# Altium PCB Booster_Main_Board.PcbDoc (part 4 of 11)
Units mil, origin at the board's own origin, x right, y up, seen from the top; angles counter-clockwise.
Board outline 15748.38 x 4626.33 mil, 4 copper layers (Component Side, Signal Layer 1, Power Plane, Solder Side), stack 63.149 mil thick; 999 components, 572 nets, 2902 pads, 1949 vias.
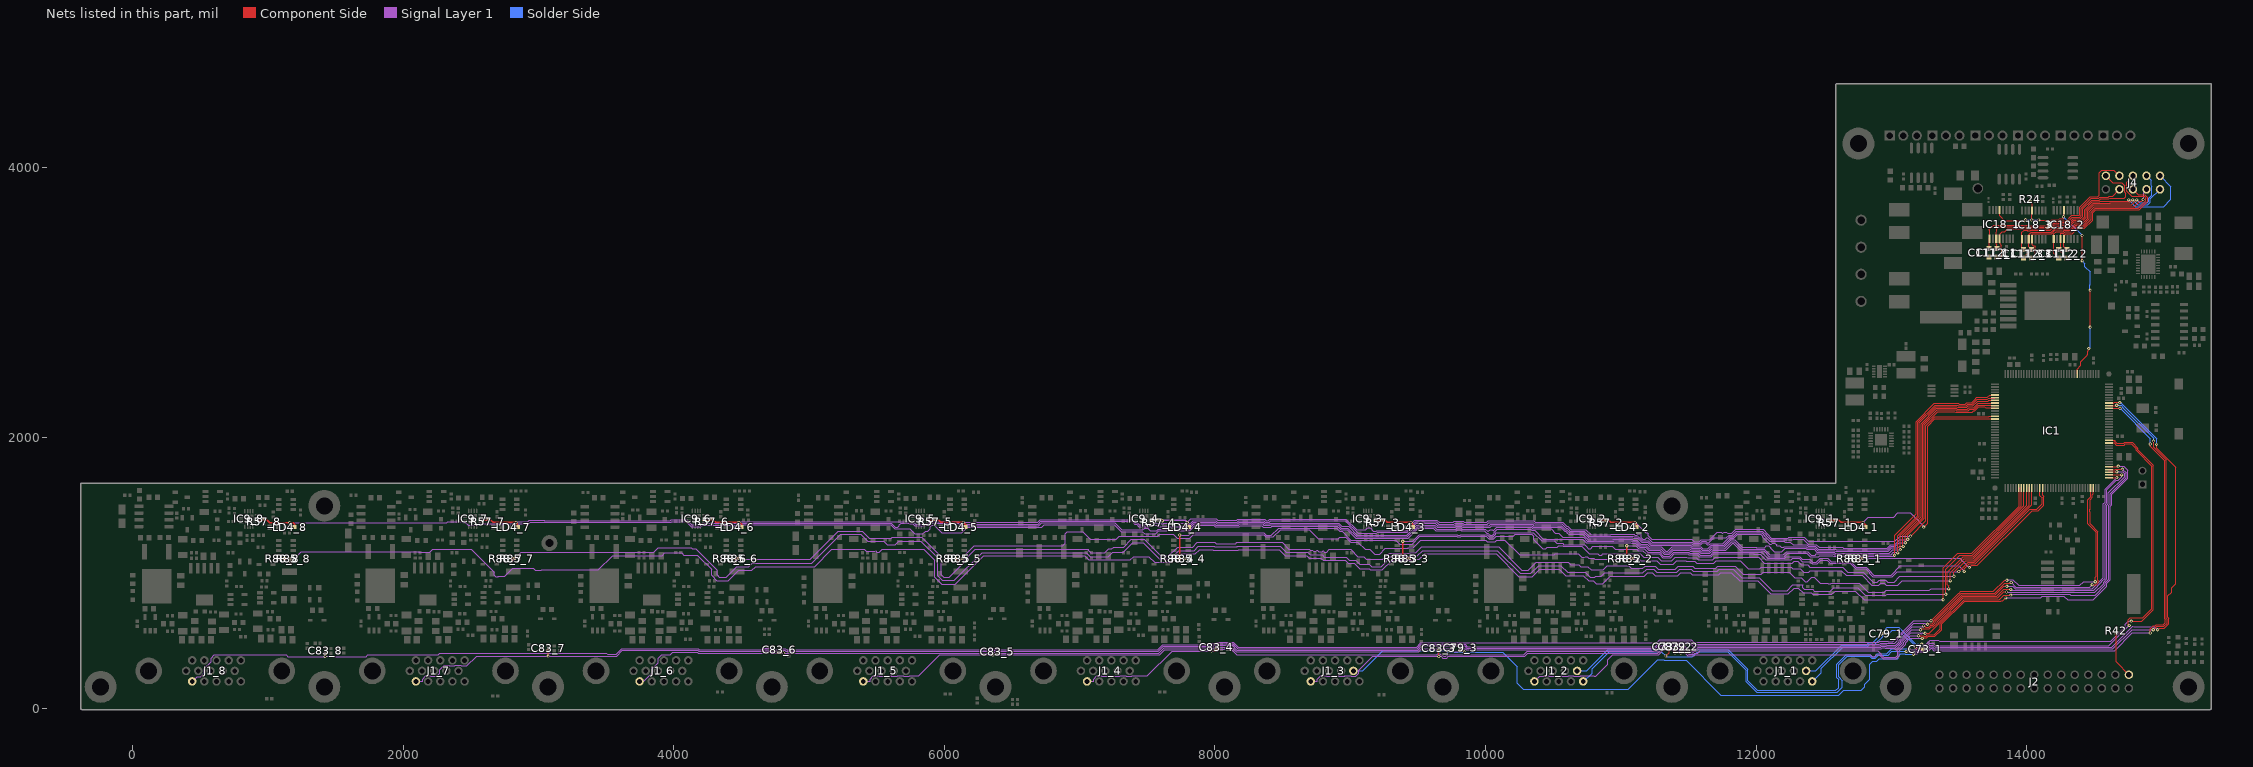
[diagram p6: the nets of this part, all layers, seen from the top]

## Via types
v1: diameter 23.62, hole 11.81, Component Side to Solder Side, tented both sides, 1910 vias
v2: diameter 50, hole 28, Component Side to Solder Side, tented both sides, 24 vias
v3: diameter 23.62, hole 11.81, Component Side to Solder Side, 10 vias
v4: diameter 47.24, hole 31.5, Component Side to Solder Side, 5 vias

## Nets (pads, with @x,y where several pads share a name; then routed paths per layer and width w, separated by ;. In a path a pad name is that pad's centre, name@x,y a point inside that pad or via, vN(x,y) a via of type N, cw(c..) or ccw(c..) an arc to the next point about the centre after c; other vN are vias at no path point) (continued)
ADC_IN11: C79_3.1 IC1.27 J1_3.10 | length 8627
  Component Side w6: C79_3.1@9813,429.28 9828.72,429.28 v1(9841,417) ; IC1.27@14607.26,2216.32 14608.39,2217.45 14688.2,2217.45 v1(14689.32,2216.32) ; v1(14913,556) 14913,587.43 14933.57,608 14949.03,608 14957.13,616.1 15007.19,616.1 15023.35,632.26 15023.35,656.1 15019,660.45 15019,1829.79 14913,1935.79 v1(14913,1953)
  Signal Layer 1 w6: v1(13162,398) 13166.81,402.81 13189.19,402.81 13193.57,407.19 13194.56,407.19 13204.56,417.19 13268.5,417.19 13293.31,442 13296.66,442 13312.47,426.19 14651.19,426.19 14781,556 v1(14913,556)
  Solder Side w6: J1_3.10@9022.87,275.59 9093.5,275.59 9241.73,423.81 9706.62,423.81 9715.62,414.81 10127.19,414.81 10235,307 10235,184 10280,139 11055.8,139 11273.39,356.59 11316.01,356.59 11319.41,353.19 11481.84,353.19 11739.84,95.19 12610.5,95.19 12646.31,131 12775,131 12775,131.35 12802,158.35 12802,175.39 12839.23,212.62 12839.23,324.54 12860.69,346 12890.12,346 12910.93,366.81 13046.87,366.81 13050.19,370.13 13050.19,380.59 13070.41,400.81 13098.76,400.81 13100.38,399.19 13160.81,399.19 v1(13162,398) ; v1(14689.32,2216.32) 14913,1992.65 v1(14913,1953)
ADC_IN12: C73_2.1 IC1.28 J1_2.5 | length 6909.9
  Component Side w6: v1(11333,386) 11358,411 C73_2.1@11358,436.28 ; IC1.28@14607.26,2236.01 14664.99,2236.01 v1(14665,2239) ; v1@14937,581 14952,596 14954,596 14962.1,604.1 15012.16,604.1 15037,628.94 15037,659.42 15031,665.42 15031,1834.76 14937,1928.76 v1(14937,1974)
  Signal Layer 1 w6: v1(13109,420) 13110.19,418.81 13175.62,418.81 13179.43,415 13184.41,415 13188.6,419.19 13189.59,419.19 13199.59,429.19 13263.53,429.19 13288.34,454 13301.63,454 13317.44,438.19 14637.19,438.19 14779,580 v1(14935,580)
  Solder Side w6: J1_2.5@10721.34,197.64 10726.37,197.64 10787.54,258.82 10787.54,292.09 10914.27,418.81 11300.19,418.81 v1(11333,386) 11339.81,379.19 11528.38,379.19 11568,418.81 11788.22,418.81 11926,281.03 11926,197.03 12003.84,119.19 12600.56,119.19 12637.54,156.17 12637.54,202.47 12608.91,231.09 12608.91,320.09 12671.84,383.02 12839.98,383.02 12853,370 12880.18,370 12900.99,390.81 12974.81,390.81 13003.81,419.81 13108.81,419.81 v1(13109,420) ; v1(14665,2239) 14665.81,2238.19 14696.89,2238.19 14710.13,2224.94 14710.13,2220.87 14937,1994 v1(14937,1974)
ADC_IN13: C79_2.1 IC1.29 J1_2.10 | length 6960.5
  Component Side w6: v1(11443,408) 11445,410 C79_2.1@11445,437.3 ; IC1.29@14607.26,2255.69 14643.88,2255.69 14648,2259.81 14687.19,2259.81 v1(14688,2259) ; v1(14960,1950) 14960,1922.73 15102.36,1780.37 15102.36,921.33 15072,890.97 15072,858.61 15043,829.61 15043,670.39 15049,664.39 15049,623.97 15017.13,592.1 14981.87,592.1 14969.76,580 v1(14967.43,580)
  Signal Layer 1 w6: v1(13134,440) 13143.19,430.81 13180.59,430.81 13180.83,430.57 13183.01,430.57 13183.63,431.19 13184.62,431.19 13194.62,441.19 13258.56,441.19 13283.37,466 13306.6,466 13322.41,450.19 14627.19,450.19 14784,607 14790.19,600.81 14943.62,600.81 14964.43,580 v1(14967.43,580)
  Solder Side w6: J1_2.10@10676.42,275.59 10747.05,275.59 10902.27,430.81 11420.19,430.81 v1(11443,408) 11513.62,408 11536.43,430.81 11793.19,430.81 11938,286 11938,202 12008.81,131.19 12588.86,131.19 12610.43,152.76 12610.43,212.61 12596.91,226.12 12596.91,325.06 12666.87,395.02 12844.95,395.02 12857.97,382 12875.21,382 12896.02,402.81 12963.81,402.81 13001.81,440.81 13117.62,440.81 13120.62,437.81 13132.81,437.81 13134,439 v1(13134,440) ; v1(14688,2259) 14694,2259 14960,1993 v1(14960,1950)
ADC_IN14: C73_1.1 IC1.14 J1_1.5 | length 4431.7
  Component Side w6: v1(13176,452) 13193,435 C73_1.1@13232.28,435 ; IC1.14@14607.26,1960.42 14646.18,1960.42 14661.41,1945.19 14720.59,1945.19 14728.13,1952.73 14773.3,1952.73 14808.19,1917.84 14808.19,1904.84 14923,1790.03 14923,733.2 14856.94,667.13 14765.7,667.13 14751.19,652.62 14751.19,617.81 v1(14757,612)
  Signal Layer 1 w6: v1(13176,452) 13177.19,453.19 13253.59,453.19 13281.4,481 13308.57,481 13327.38,462.19 14607.19,462.19 v1(14757,612)
  Solder Side w6: J1_1.5@12414.25,197.64 12419.28,197.64 12482,260.36 12482,295 12642.02,455.02 12821.48,455.02 12838.08,471.62 12878.05,471.62 12937.81,531.38 12937.81,537.78 12957.03,557 12986.46,557 13007.27,577.81 13047.62,577.81 13116.12,509.31 13127.12,509.31 13176,460.43 v1(13176,452)
ADC_IN15: C79_1.1 IC1.15 J1_1.10 | length 4406.5
  Component Side w6: v1(12917,540) 12929,552 C79_1.1@12942.28,552 ; IC1.15@14607.26,1980.1 14648.9,1980.1 14652.19,1976.81 14652.19,1971.38 14666.38,1957.19 14715.62,1957.19 14723.16,1964.73 14778.27,1964.73 14820.19,1922.81 14820.19,1909.81 14935,1795 14935,728.22 14850.78,644 v1(14772,644)
  Signal Layer 1 w6: v1(13224,474) 13257.43,474 13287.24,503.81 13344.62,503.81 13355.43,493 14620,493 14728,601 14728,621 14751,644 v1(14772,644)
  Solder Side w6: J1_1.10@12369.33,275.59 12439.96,275.59 12631.39,467.02 12816.51,467.02 12833.11,483.62 12861.62,483.62 12957.03,579.03 12957.03,586.43 12969.22,598.62 13054.95,598.62 13180.38,473.19 13185.24,473.19 13191.43,467 13199.43,475 13200.43,474 v1(13224,474)
ALERTN_CH0: IC1.77 IC9_8.2 LD4_8.1 R57_8.1 | length 14473.4
  Component Side w6: v1@1157,1372.12 v1(1160,1372.12) ; v1(13023,1130) 13023,1277.57 13183.29,1437.86 13183.29,2118.23 13317.33,2252.28 13494.38,2252.28 13499.47,2247.19 13546.53,2247.19 13557.15,2257.81 13592.19,2257.81 13615.42,2281.04 13631.96,2297.59 13708.26,2297.59 13725.42,2314.75 IC1.77@13764.74,2314.75
  Component Side w10: IC9_8.2@918.07,1389.02 994.98,1389.02 1011.88,1372.12 v1@1157,1372.12 ; v1(1160,1372.12) 1186.94,1372.12 1197.75,1361.3 LD4_8.1@1197.75,1337.8
  Signal Layer 1 w6: v1(1160,1372.12) 1326,1372.12 1329.17,1368.95 2320.92,1368.95 2330.92,1378.95 2452.71,1378.95 2479.66,1352 2551.53,1352 2561,1361.47 2816.78,1361.47 2825.81,1352.45 2843.05,1352.45 2855.42,1364.83 2926.98,1364.83 2937.94,1375.8 3036.46,1375.8 3037.59,1374.67 3980.18,1374.67 3984.47,1378.95 4092.48,1378.95 4129.43,1342 4200.57,1342 4212.52,1353.95 4452.91,1353.95 4466.41,1340.45 4493.59,1340.45 4508.95,1355.81 5602.56,1355.81 5633.04,1325.33 5745.24,1325.33 5780.38,1290.19 5841.62,1290.19 5860.43,1309 5877.43,1309 5894.81,1326.38 5894.81,1341.24 5907.38,1353.81 5924.62,1353.81 5981.43,1297 6128.62,1297 6168.88,1337.26 6717.83,1337.26 6737.38,1356.81 7255.1,1356.81 7306.72,1305.19 7463.38,1305.19 7479.38,1289.19 7563.27,1289.19 7584.08,1310 7812.14,1310 7852.95,1350.81 7990.76,1350.81 8001.77,1339.8 8179.33,1339.8 8189.09,1349.55 8346.44,1349.55 8357.32,1338.67 8414.33,1338.67 8418.61,1342.95 8905.53,1342.95 8928.72,1319.76 8977.35,1319.76 9041.93,1255.19 9427.84,1255.19 9502.52,1329.87 9614.92,1329.87 9632.79,1312 9786.51,1312 9794.53,1320.02 9811.77,1320.02 9819.79,1312 9991.66,1312 10009.47,1294.19 10016.8,1294.19 10033.38,1277.61 10050.62,1277.61 10062.81,1289.8 10062.81,1300.47 10086.15,1323.81 10332.34,1323.81 10342.19,1313.95 10362.02,1313.95 10426.97,1249 10484.6,1249 10485.41,1249.81 10512.59,1249.81 10513.4,1249 10578.69,1249 10579.64,1249.95 10596.88,1249.95 10597.38,1249.45 10717.55,1249.45 10744.81,1222.19 10950.88,1222.19 10952.64,1223.95 11073.18,1223.95 11078.73,1218.4 11108.23,1218.4 11137.76,1188.87 11184.25,1188.87 11205.12,1168 11288.31,1168 11320.02,1136.29 11357.14,1136.29 11388.85,1168 11503.08,1168 11512.68,1158.4 11576.22,1158.4 11590.64,1143.98 11658.05,1143.98 11682.08,1168 11774.41,1168 11825.6,1219.19 11831.87,1219.19 11887.11,1163.95 11990.68,1163.95 11991.68,1162.95 12054.65,1162.95 12097.27,1120.33 12206.76,1120.33 12232.24,1145.81 12375.19,1145.81 12401.05,1119.95 12460.92,1119.95 12468.78,1127.81 12566.62,1127.81 12572.1,1122.33 13015.33,1122.33 v1(13023,1130)
ALERTN_CH1: IC1.78 IC9_7.2 LD4_7.1 R57_7.1 | length 12695.1
  Component Side w6: v1(13047,1148) 13045.19,1149.81 13045.19,1273.5 13195.29,1423.6 13195.29,2113.26 13322.3,2240.28 13489.41,2240.28 13494.5,2235.19 13551.5,2235.19 13562.12,2245.81 13597.16,2245.81 13633.5,2282.15 13709.79,2282.15 13718.6,2290.96 13760.64,2290.96 IC1.78@13764.74,2295.06
  Component Side w10: IC9_7.2@2571.61,1390.16 2647.84,1390.16 2664.74,1373.26 v1(2834.43,1373.26) 2844.57,1363.12 2844.57,1345.67 LD4_7.1@2851.3,1338.94
  Signal Layer 1 w6: v1(2834.43,1373.26) 2837.99,1376.83 2922.01,1376.83 2932.97,1387.8 3041.44,1387.8 3042.56,1386.67 3975.21,1386.67 3979.5,1390.95 4097.45,1390.95 4134.4,1354 4195.6,1354 4207.55,1365.95 4457.88,1365.95 4471.38,1352.45 4488.62,1352.45 4503.98,1367.81 5608.19,1367.81 5625.82,1350.18 5625.82,1349.52 5638.01,1337.33 5655.25,1337.33 5667.44,1349.52 5667.44,1355.44 5679.81,1367.81 5738.03,1367.81 5744.03,1361.81 5767.62,1361.81 5781.93,1347.5 5857.07,1347.5 5865.38,1355.81 5891.97,1355.81 5901.97,1365.81 6102.56,1365.81 6127.92,1340.45 6155.1,1340.45 6163.91,1349.26 6698.83,1349.26 6718.38,1368.81 7260.07,1368.81 7311.69,1317.19 7465.76,1317.19 7479.38,1330.81 7503.76,1330.81 7522.38,1312.19 7539.62,1312.19 7539.76,1312.33 7569.44,1312.33 7579.11,1322 7807.17,1322 7847.98,1362.81 7995.73,1362.81 8006.74,1351.8 8174.36,1351.8 8184.12,1361.55 8351.41,1361.55 8362.3,1350.67 8409.36,1350.67 8413.64,1354.95 8910.5,1354.95 8933.69,1331.76 8982.32,1331.76 9046.9,1267.19 9422.87,1267.19 9497.55,1341.87 9619.89,1341.87 9637.76,1324 9781.54,1324 9789.56,1332.02 9816.74,1332.02 9824.76,1324 9996.63,1324 10014.44,1306.19 10020.34,1306.19 10033.38,1319.23 10050.62,1319.23 10057.61,1312.24 10081.18,1335.81 10337.31,1335.81 10347.17,1325.95 10484.05,1325.95 10516.54,1293.46 10539.39,1293.46 10570.9,1261.95 10725.17,1261.95 10752.93,1234.19 10945.91,1234.19 10947.67,1235.95 11078.15,1235.95 11083.7,1230.4 11113.21,1230.4 11142.74,1200.87 11189.22,1200.87 11210.09,1180 11293.28,1180 11324.99,1148.29 11352.17,1148.29 11383.88,1180 11508.05,1180 11517.65,1170.4 11581.19,1170.4 11595.61,1155.98 11653.08,1155.98 11677.11,1180 11769.44,1180 11820.63,1231.19 11836.84,1231.19 11892.08,1175.95 11995.65,1175.95 11996.65,1174.95 12059.62,1174.95 12102.24,1132.33 12201.79,1132.33 12227.27,1157.81 12381.76,1157.81 12407.62,1131.95 12437,1131.95 12444.86,1139.81 12571.59,1139.81 12577.07,1134.33 12997.9,1134.33 13014.38,1150.81 13044.19,1150.81 v1(13047,1148)
ALERTN_CH2: IC1.79 IC9_6.2 LD4_6.1 R57_6.1 | length 10929.6
  Component Side w6: v1(13066,1172) 13066,1277.34 13207.29,1418.63 13207.29,2108.29 13327.27,2228.28 13484.44,2228.28 13489.53,2223.19 13556.47,2223.19 13567.09,2233.81 13602.13,2233.81 13638.47,2270.15 13714.76,2270.15 13719.63,2275.02 13764.38,2275.02 IC1.79@13764.74,2275.38
  Component Side w10: IC9_6.2@4225.16,1390.16 4293.1,1390.16 4310,1373.26 v1(4480,1373.26) 4487.97,1373.26 4500.62,1360.61 4500.62,1343.15 4504.84,1338.94 4504.49,1338.58 LD4_6.1@4500.98,1338.58
  Signal Layer 1 w6: v1(4480,1373.26) 4486.55,1379.81 5743,1379.81 5749,1373.81 5772.59,1373.81 5786.9,1359.5 5852.1,1359.5 5860.41,1367.81 5887,1367.81 5897,1377.81 6107.53,1377.81 6132.89,1352.45 6150.13,1352.45 6158.94,1361.26 6693.86,1361.26 6713.41,1380.81 7385.03,1380.81 7407.03,1358.81 7420.62,1358.81 7436.62,1342.81 7511.38,1342.81 7522.38,1353.81 7526.83,1353.81 7526.97,1353.95 7569.44,1353.95 7582.94,1340.45 7808.65,1340.45 7843.01,1374.81 8000.7,1374.81 8011.71,1363.8 8169.39,1363.8 8179.15,1373.55 8356.38,1373.55 8367.27,1362.67 8404.39,1362.67 8408.67,1366.95 8863.95,1366.95 8864.81,1367.81 8914.62,1367.81 8938.66,1343.76 8987.3,1343.76 9051.87,1279.19 9417.9,1279.19 9492.58,1353.87 9624.86,1353.87 9642.73,1336 9776.56,1336 9784.59,1344.02 9821.71,1344.02 9829.73,1336 10033.18,1336 10044.99,1347.81 10342.28,1347.81 10352.14,1337.95 10554.48,1337.95 10584.67,1307.76 10593.07,1307.76 10605.26,1295.57 10605.26,1293.03 10614.29,1284 10720.09,1284 10757.9,1246.19 10940.94,1246.19 10942.7,1247.95 11083.12,1247.95 11088.67,1242.4 11118.18,1242.4 11147.71,1212.87 11194.19,1212.87 11215.06,1192 11298.25,1192 11329.96,1160.29 11347.2,1160.29 11378.91,1192 11513.02,1192 11522.62,1182.4 11586.16,1182.4 11600.58,1167.98 11648.11,1167.98 11672.14,1192 11764.47,1192 11815.66,1243.19 11841.81,1243.19 11897.05,1187.95 12000.62,1187.95 12001.38,1187.19 12063.76,1187.19 12076.38,1199.81 12094.79,1199.81 12109.19,1185.41 12109.19,1181.38 12134.38,1156.19 12188.4,1156.19 12214.21,1182 12366.12,1182 12374.31,1173.81 12427.62,1173.81 12449.62,1151.81 12576.56,1151.81 12582.04,1146.33 12982.33,1146.33 13008,1172 v1(13066,1172)
ALERTN_CH3: IC1.80 IC9_5.2 LD4_5.1 R57_5.1 | length 9202.5
  Component Side w6: v1(13087,1196) 13082.19,1200.81 13082.19,1276.56 13219.29,1413.66 13219.29,2103.32 13332.25,2216.28 13479.47,2216.28 13484.56,2211.19 13561.44,2211.19 13572.07,2221.81 13607.1,2221.81 13640.98,2255.69 IC1.80@13764.74,2255.69
  Component Side w10: IC9_5.2@5878.7,1390.16 5957.1,1390.16 5974,1373.26 v1(6141.51,1373.26) 6158.38,1356.39 LD4_5.1@6158.38,1338.94
  Signal Layer 1 w6: v1(6141.51,1373.26) 6688.89,1373.26 6708.44,1392.81 7390,1392.81 7412,1370.81 7425.59,1370.81 7441.59,1354.81 7506.41,1354.81 7517.41,1365.81 7521.86,1365.81 7522,1365.95 7600.99,1365.95 7602.33,1364.62 7619.57,1364.62 7620.9,1365.95 7772.93,1365.95 7786.44,1352.45 7803.68,1352.45 7838.04,1386.81 8005.67,1386.81 8016.68,1375.8 8164.42,1375.8 8174.44,1385.81 8361.09,1385.81 8372.24,1374.67 8399.42,1374.67 8410.56,1385.81 8962.62,1385.81 9057.24,1291.19 9192.59,1291.19 9201.4,1300 9421.74,1300 9487.61,1365.87 9629.83,1365.87 9647.7,1348 9771.59,1348 9779.62,1356.02 9826.68,1356.02 9834.7,1348 10028.21,1348 10040.02,1359.81 10347.25,1359.81 10357.11,1349.95 10559.45,1349.95 10589.64,1319.76 10598.04,1319.76 10621.8,1296 10725.06,1296 10762.87,1258.19 10935.96,1258.19 10937.73,1259.95 11088.09,1259.95 11093.64,1254.4 11123.15,1254.4 11152.68,1224.87 11199.16,1224.87 11220.03,1204 11517.99,1204 11527.59,1194.4 11591.13,1194.4 11605.55,1179.98 11643.14,1179.98 11667.16,1204 11759.5,1204 11810.69,1255.19 11834.83,1255.19 11864.59,1284.95 12035.79,1284.95 12048.98,1271.76 12048.98,1262.58 12100.76,1210.81 12111.38,1210.81 12121.38,1220.81 12138.62,1220.81 12150.81,1208.62 12150.81,1199.19 12175.81,1199.19 12185.81,1189.19 12204.43,1189.19 12209.24,1194 12371.09,1194 12379.28,1185.81 12432.59,1185.81 12454.59,1163.81 12581.53,1163.81 12587.01,1158.33 12977.36,1158.33 13003.03,1184 13048,1184 13060,1196 v1(13087,1196)
ALERTN_CH4: IC1.81 IC9_4.2 LD4_4.1 R57_4.1 | length 7467.7
  Component Side w6: v1(13103,1223) 13100.19,1225.81 13100.19,1277.59 13231.29,1408.69 13231.29,2098.35 13337.22,2204.28 13474.5,2204.28 13479.59,2199.19 13566.41,2199.19 13577.04,2209.81 13612.07,2209.81 13642.07,2239.81 13760.94,2239.81 IC1.81@13764.74,2236.01
  Component Side w10: IC9_4.2@7532.24,1390.16 7577.52,1390.16 R57_4.1@7582.59,1385.09 ; R57_4.1@7586,1388.5 7607.87,1388.5 v1(7610.95,1385.43) ; v1(7795.06,1373.26) 7795.28,1373.04 7795.28,1351.38 LD4_4.1@7808.07,1338.58
  Signal Layer 1 w6: v1(7795.06,1373.26) 7820.61,1398.81 8010.64,1398.81 8021.65,1387.8 8159.45,1387.8 8169.46,1397.81 8366.06,1397.81 8377.21,1386.67 8394.45,1386.67 8405.59,1397.81 8967.59,1397.81 9046.21,1319.19 9115.76,1319.19 9129.38,1332.81 9146.62,1332.81 9171.24,1308.19 9192.62,1308.19 9196.43,1312 9416.77,1312 9482.64,1377.87 9634.8,1377.87 9652.67,1360 9766.62,1360 9774.65,1368.02 9831.65,1368.02 9839.68,1360 10012.57,1360 10024.38,1371.81 10352.22,1371.81 10362.08,1361.95 10564.42,1361.95 10594.61,1331.76 10603.01,1331.76 10626.77,1308 10730.03,1308 10767.84,1270.19 10930.99,1270.19 10932.76,1271.95 11093.06,1271.95 11098.61,1266.4 11128.12,1266.4 11157.65,1236.87 11204.13,1236.87 11225,1216 11522.96,1216 11532.57,1206.4 11590.35,1206.4 11605.55,1221.6 11622.79,1221.6 11637.99,1206.4 11652.59,1206.4 11662.19,1216 11754.53,1216 11805.72,1267.19 11829.86,1267.19 11859.62,1296.95 12040.76,1296.95 12060.98,1276.73 12060.98,1273.96 12101.88,1233.06 12206.68,1233.06 12211.9,1227.84 12253.04,1227.84 12272.55,1208.33 12289.79,1208.33 12290.46,1209 12373.06,1209 12384.25,1197.81 12437.56,1197.81 12459.56,1175.81 12586.5,1175.81 12591.98,1170.33 12972.39,1170.33 12998.06,1196 13029,1196 13056,1223 v1(13103,1223)
  Signal Layer 1 w10: v1(7610.95,1385.43) 7613.31,1387.8 7780.52,1387.8 v1(7795.06,1373.26)
ALERTN_CH5: IC1.82 IC9_3.2 LD4_3.1 R57_3.1 | length 5714.7
  Component Side w6: v1(13121,1248) 13120.19,1248.81 13120.19,1280.62 13243.29,1403.72 13243.29,2093.38 13342.19,2192.28 13469.53,2192.28 13474.62,2187.19 13596.76,2187.19 13607.38,2197.81 13617.04,2197.81 13647.04,2227.81 13687.62,2227.81 13695.62,2219.81 13761.25,2219.81 IC1.82@13764.74,2216.32
  Component Side w10: IC9_3.2@9185.79,1390.16 9231.06,1390.16 R57_3.1@9232.72,1388.5 ; R57_3.1@9240,1388.5 9257.76,1388.5 9273,1373.26 v1(9448.6,1373.26) 9449.58,1373.26 9461.61,1361.22 LD4_3.1@9461.61,1338.58
  Signal Layer 1 w6: v1(9448.6,1373.26) 9461.06,1373.26 9477.67,1389.87 9639.77,1389.87 9656.38,1373.26 9762.91,1373.26 9769.68,1380.02 9836.62,1380.02 9843.39,1373.26 10008.86,1373.26 10019.41,1383.81 10357.19,1383.81 10367.05,1373.95 10569.39,1373.95 10599.58,1343.76 10607.98,1343.76 10631.74,1320 10741.6,1320 10779.41,1282.19 10926.02,1282.19 10927.79,1283.95 11098.03,1283.95 11103.58,1278.4 11120.82,1278.4 11126.38,1283.95 11147.22,1283.95 11150.43,1280.75 11150.43,1261.06 11162.62,1248.87 11179.86,1248.87 11189.7,1258.71 11199.72,1258.71 11230.43,1228 11527.93,1228 11537.54,1218.4 11585.38,1218.4 11600.58,1233.6 11627.76,1233.6 11642.96,1218.4 11647.62,1218.4 11687.94,1258.71 11780.27,1258.71 11800.75,1279.19 11824.89,1279.19 11854.65,1308.95 12045.73,1308.95 12072.98,1281.7 12072.98,1278.93 12106.85,1245.06 12211.65,1245.06 12212.53,1244.19 12266.79,1244.19 12272.55,1249.95 12349.08,1249.95 12389.22,1209.81 12442.53,1209.81 12464.53,1187.81 12640.07,1187.81 12645.55,1182.33 12967.42,1182.33 12993.09,1208 13024.03,1208 13059.84,1243.81 13111.62,1243.81 13114.22,1241.22 v1(13121,1248)
ALERTN_CH6: IC1.85 IC9_2.2 LD4_2.1 R57_2.1 | length 3924.3
  Component Side w6: v1(13141,1272) 13255.29,1386.29 13255.29,2088.41 13319.37,2152.49 13718,2152.49 13722.78,2157.27 IC1.85@13764.74,2157.27
  Component Side w10: IC9_2.2@10839.33,1390.16 10909.1,1390.16 10926,1373.26 11102.14,1373.26 v1(11106.2,1369.2) 11115.16,1360.24 LD4_2.1@11115.16,1338.58
  Signal Layer 1 w6: v1(11106.2,1369.2) 11111.2,1369.2 11185.42,1294.98 11195.05,1294.98 11201.89,1288.15 11201.89,1273.51 11227.4,1248 11524.91,1248 11542.51,1230.4 11580.41,1230.4 11595.61,1245.6 11657.85,1245.6 11712.59,1300.34 11740.88,1300.34 11750.03,1291.19 11753.88,1291.19 11763.03,1300.34 11780.27,1300.34 11789.42,1291.19 11819.92,1291.19 11849.68,1320.95 12050.7,1320.95 12084.98,1286.67 12084.98,1283.9 12111.82,1257.06 12216.62,1257.06 12217.5,1256.19 12236.65,1256.19 12242.42,1261.95 12354.05,1261.95 12383.19,1232.81 13024.81,1232.81 13064,1272 v1(13141,1272)
ALERTN_CH7: IC1.86 IC9_1.2 LD4_1.1 R57_1.1 | length 2109
  Component Side w6: v1(13238.19,1338.58) 13267.29,1367.69 13267.29,2083.44 13321.43,2137.58 IC1.86@13764.74,2137.58
  Component Side w10: IC9_1.2@12532.24,1390.16 12611.1,1390.16 12628,1373.26 v1(12790,1373.26) 12790,1369 12811.93,1347.07 LD4_1.1@12811.93,1338.94
  Signal Layer 1 w6: v1(12790,1373.26) 12790.26,1373.26 12828,1411 13016,1411 13047.81,1442.81 13140.62,1442.81 13238.19,1345.24 v1(13238.19,1338.58)
BOOT_SW: J2.1 R42.1 | length 347
  Component Side w6: R42.1@14660,554.5 14660,341.97 J2.1@14755.12,246.85
DXN_1: C111_1.1 C112_1.1 IC18_1.11 J4.8 | length 1301
  Component Side w6: C111_1.1@13720.47,3333.66 13721.46,3333.66 13750.98,3363.19 13750.98,3371.06 13776.57,3396.65 C112_1.1@13779.53,3396.65 13779.53,3425.2 13774.51,3430.22 IC18_1.11@13774.51,3470.47 13774.51,3519.59 13779.53,3524.61 13779.53,3543.31 13794.29,3558.07 13998.75,3558.07 14000.87,3555.95 14012.35,3555.95 14013.33,3554.96 14164.45,3554.96 14194.45,3584.96 14246.45,3584.96 14253.51,3592.02 14299.99,3592.02 14337.57,3629.59 14391.47,3629.59 14403.78,3641.89 14403.78,3695.8 14475.71,3767.74 14530.93,3767.74 14541.19,3778 14602.25,3778 14609.25,3785 14635.01,3785 J4.8@14685,3834.99
DXN_2: C111_2.1 C112_2.1 IC18_2.11 J4.5 | length 1292.9
  Component Side w6: C112_2.1@14297.24,3326.77 14297.24,3329.72 C111_2.1@14237.2,3389.76 14249.9,3402.46 IC18_2.11@14249.9,3468.5 14249.9,3510.45 14273.76,3510.45 14283.33,3520.02 14329.82,3520.02 14367.39,3557.59 14421.3,3557.59 14475.78,3612.07 14475.78,3665.97 14505.54,3695.74 14825.17,3695.74 14880.81,3751.38 14880.81,3768.62 14866.93,3782.5 14774.56,3782.5 14737.5,3819.56 14737.5,3887.49 J4.5@14785,3934.99
DXN_3: C111_3.1 C112_3.1 IC18_3.11 J4.2 | length 1393.3
  Component Side w6: C111_3.1@13975.39,3326.77 13994.09,3345.47 13994.09,3350.39 13996.06,3350.39 C112_3.1@14035.43,3389.76 14014.67,3410.53 IC18_3.11@14014.67,3466.54 14014.67,3500.89 14032.74,3518.96 14179.36,3518.96 14209.36,3548.96 14261.36,3548.96 14268.42,3556.02 14314.91,3556.02 14352.48,3593.59 14406.39,3593.59 14439.78,3626.98 14439.78,3680.89 14490.63,3731.74 14545.84,3731.74 14547.92,3733.82 14617.18,3733.82 14618.41,3735.05 14761.72,3735.05 v1(14783.56,3756.89)
  Solder Side w6: v1(14783.56,3756.89) 14820.52,3719.92 14893.26,3719.92 14914.7,3741.37 14914.7,3764.69 J4.2@14985,3834.99
DXP1_1: C111_1.2 IC18_1.9 J4.7 | length 1434.2
  Component Side w6: C111_1.2@13720.47,3396.65 13724.51,3400.69 IC18_1.9@13724.51,3470.47 13724.79,3470.75 13724.79,3533.56 13724.51,3533.84 13724.51,3538.48 13756.89,3570.87 14002.92,3570.87 14005.84,3567.95 14017.32,3567.95 14018.3,3566.96 14159.48,3566.96 14189.48,3596.96 14241.48,3596.96 14248.54,3604.02 14295.02,3604.02 14332.6,3641.59 14386.5,3641.59 14391.78,3646.86 14391.78,3700.77 14470.74,3779.74 14525.96,3779.74 14536.22,3790 14536.22,3956.22 14555.49,3975.49 14644.51,3975.49 J4.7@14685,3934.99
DXP1_2: C111_2.2 IC18_2.9 J4.4 | length 1076.7